# KiCad board cryboard.kicad_pcb (continued)
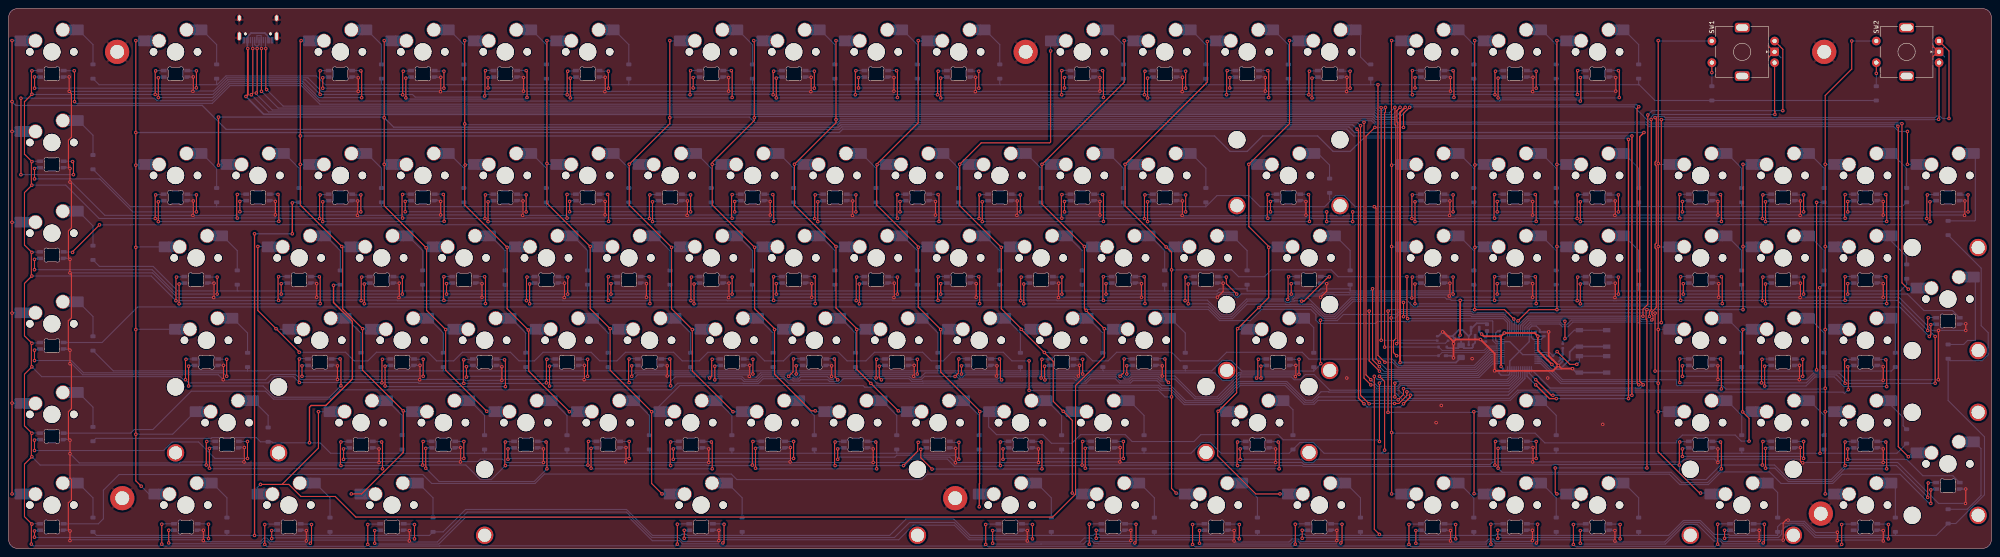
[diagram p0: board, top side]
## Library data of the parts
C1-C10 = -: LCSC: C307331; ki_fp_filters: C_*
D1 = -: Description: Diode, small symbol; Sim.Device: D; Sim.Pins: 1=K 2=A; LCSC: C402213; ki_fp_filters: TO-???* *_Diode_* *SingleDiode* D_*
D2-D112 = -: Description: Diode, small symbol; Sim.Device: D; Sim.Pins: 1=K 2=A; ki_fp_filters: TO-???* *_Diode_* *SingleDiode* D_*
F1 = -: LCSC: C135341; ki_fp_filters: *polyfuse* *PTC*
H1-H6 = -: Description: Mounting Hole with connection; ki_fp_filters: MountingHole*Pad*
J1 = -: Datasheet: https://www.usb.org/sites/default/files/documents/usb_type-c.zip; JlcPosOffset: 0,1.5; JlcRotOffset: 0; ki_fp_filters: USB*C*Receptacle*
LED1 = -: Description: Reverse mount adressable LED (WS2812 protocol); LCSC: C5149201
LED2-LED110 = -: Description: Reverse mount adressable LED (WS2812 protocol)
MX1 = -: Description: Push button switch, normally open, two pins, 45° tilted, Kailh CPG151101S11 for Cherry MX style switches; LCSC: C5184526
MX2-MX110 = -: Description: Push button switch, normally open, two pins, 45° tilted, Kailh CPG151101S11 for Cherry MX style switches
R1-R4 = -: ki_fp_filters: R_*
RST1 = -: LCSC: C2886894
S1-S8 = -: Description: Cherry MX-style stabilizer
SW1 SW2 = -: Description: Rotary encoder, dual channel, incremental quadrate outputs, with switch; ki_fp_filters: RotaryEncoder*Switch*
U1 = -: Datasheet: https://www.st.com/resource/en/datasheet/stm32f072cb.pdf; JlcRotOffset: 90; ki_fp_filters: LQFP*7x7mm*P0.5mm*
U2 = -: Datasheet: https://assets.nexperia.com/documents/data-sheet/PRTR5V0U2X.pdf; JlcRotOffset: 90; LCSC: C2827688; ki_fp_filters: SOT?143*
U3 = -: Datasheet: https://www.torexsemi.com/file/xc6206/XC6206.pdf; LCSC: C5446; ki_fp_filters: SOT?23*

## Footprints (pads in the part's own frame, mm; a bottom-side part is the same pattern mirrored in y, then rotated)
C_0402_1005Metric
  rrect 0.56x0.62 smd: 1(-0.48,0) 2(0.48,0)
C_0603_1608Metric
  rrect 0.9x0.95 smd: 1(-0.775,0) 2(0.775,0)
D_SOD-123
  rrect 0.9x1.2 smd: 1(-1.65,0) 2(1.65,0)
Fuse_1206_3216Metric
  rrect 1.25x1.75 smd: 1(-1.4,0) 2(1.4,0)
LED_MX_6028R
  rrect 1.35x0.82 smd: 1(2.725,0.75) 2(2.725,-0.75) 3(-2.725,0.75) 4(-2.725,-0.75)
LQFP-48_7x7mm_P0.5mm
  rrect 1.475x0.3 smd: 1(-4.162,2.75) 2(-4.162,2.25) 3(-4.162,1.75) 4(-4.162,1.25) 5(-4.162,0.75) 6(-4.162,0.25) 7(-4.162,-0.25) 8(-4.162,-0.75) 9(-4.162,-1.25) 10(-4.162,-1.75) 11(-4.162,-2.25) 12(-4.162,-2.75) 25(4.162,-2.75) 26(4.162,-2.25) 27(4.162,-1.75) 28(4.162,-1.25) 29(4.162,-0.75) 30(4.162,-0.25) 31(4.162,0.25) 32(4.162,0.75) 33(4.162,1.25) 34(4.162,1.75) 35(4.162,2.25) 36(4.162,2.75)
  rrect 0.3x1.475 smd: 13(-2.75,-4.162) 14(-2.25,-4.162) 15(-1.75,-4.162) 16(-1.25,-4.162) 17(-0.75,-4.162) 18(-0.25,-4.162) 19(0.25,-4.162) 20(0.75,-4.162) 21(1.25,-4.162) 22(1.75,-4.162) 23(2.25,-4.162) 24(2.75,-4.162) 37(2.75,4.162) 38(2.25,4.162) 39(1.75,4.162) 40(1.25,4.162) 41(0.75,4.162) 42(0.25,4.162) 43(-0.25,4.162) 44(-0.75,4.162) 45(-1.25,4.162) 46(-1.75,4.162) 47(-2.25,4.162) 48(-2.75,4.162)
MountingHole_3.2mm_M3_DIN965_Pad
  round 5.6 hole 3.2: 1(0,0)
R_0402_1005Metric
  rrect 0.54x0.64 smd: 1(-0.51,0) 2(0.51,0)
ROT_Alps_EC11E-Switch
  round 2 hole 1: A(-2.5,-7.5) B(2.5,-7.5) S1(2.5,7) S2(-2.5,7)
  rrect 2x2 hole 1: C(0,-7.5)
  rrect 2.2x3.4 hole 1.5x2.8: MP(-5.6,0) MP(5.6,0)
SOT-23
  rrect 1.475x0.6 smd: 1(-0.938,0.95) 2(-0.938,-0.95) 3(0.938,0)
SOT-143
  rrect 0.7x1 smd: 1(-1,0.75)
  rrect 0.7x0.6 smd: 2(-1,-0.95) 3(1,-0.95) 4(1,0.95)
STAB_MX_P_2.25u
  round 4 hole 3.048: (-11.906,6.985) (11.906,6.985)
  round 3.988 hole 3.988 unplated: (-11.906,-8.255) (11.906,-8.255)
STAB_MX_P_2.75u
  round 4 hole 3.048: (-11.906,6.985) (11.906,6.985)
  round 3.988 hole 3.988 unplated: (-11.906,-8.255) (11.906,-8.255)
STAB_MX_P_2u
  round 4 hole 3.048: (-11.906,6.985) (11.906,6.985)
  round 3.988 hole 3.988 unplated: (-11.906,-8.255) (11.906,-8.255)
STAB_MX_P_6.25u
  round 4 hole 3.048: (-50.006,6.985) (50.006,6.985)
  round 3.988 hole 3.988 unplated: (-50.006,-8.255) (50.006,-8.255)
SW_MX_HS_CPG151101S11_1u
  round 1.75 hole 1.75 unplated: (-5.08,0) (5.08,0)
  round 3.988 hole 3.988 unplated: (0,0)
  round 3.3 hole 3: 1(3.81,2.54) 2(-2.54,5.08)
  rect 1.65x2.5 smd: 1(5.635,2.54) 2(-4.34,5.08)
  rrect 2.55x2.5 smd: 1(7.36,2.54) 2(-6.09,5.08)
SW_SPST_TL3342
  rect 1.7x1 smd: 1(-3.15,1.9) 1(3.15,1.9) 2(-3.15,-1.9) 2(3.15,-1.9)
USB_C_Receptacle_HRO_TYPE-C-31-M-12
  round 0.65 hole 0.65 unplated: (-2.89,2.6) (2.89,2.6)
  rect 0.6x1.45 smd: A1(-3.25,4.045) A4(-2.45,4.045) A9(2.45,4.045) A12(3.25,4.045) B1(3.25,4.045) B4(2.45,4.045) B9(-2.45,4.045) B12(-3.25,4.045)
  rect 0.3x1.45 smd: A5(-1.25,4.045) A6(-0.25,4.045) A7(0.25,4.045) A8(1.25,4.045) B5(1.75,4.045) B6(0.75,4.045) B7(-0.75,4.045) B8(-1.75,4.045)
  oval 1x1.6 hole 0.6x1.2: S1(-4.32,-1.05) S1(4.32,-1.05)
  oval 1x2.1 hole 0.6x1.7: S1(-4.32,3.13) S1(4.32,3.13)

## Nets
+3V3: BOOT1.1 C2.1 C3.1 C4.1 C5.1 C6.1 C7.1 C10.1 U1.1 U1.9 U1.24 U1.36 U1.48 U3.2
GND: C1.2 C2.2 C3.2 C4.2 C5.2 C6.2 C7.2 C8.2 C9.2 C10.2 H1.1 H2.1 H3.1 H4.1 H5.1 H6.1 J1.A1 J1.A12 J1.B1 J1.B12 J1.S1 LED1.4 LED2.4 LED3.4 LED4.4 LED5.4 LED6.4 LED7.4 LED8.4 LED9.4 LED10.4 LED11.4 LED12.4 LED13.4 LED14.4 LED15.4 LED16.4 LED17.4 LED18.4 LED19.4 LED20.4 LED21.4 LED22.4 LED23.4 LED24.4 LED25.4 LED26.4 LED27.4 LED28.4 LED29.4 LED30.4 LED31.4 LED32.4 LED33.4 LED34.4 LED35.4 LED36.4 LED37.4 LED38.4 LED39.4 LED40.4 LED41.4 LED42.4 LED43.4 LED44.4 LED45.4 LED46.4 LED47.4 LED48.4 LED49.4 LED50.4 LED51.4 LED52.4 LED53.4 LED54.4 LED55.4 LED56.4 LED57.4 LED58.4 LED59.4 LED60.4 LED61.4 LED62.4 LED63.4 LED64.4 LED65.4 LED66.4 LED67.4 LED68.4 LED69.4 LED70.4 LED71.4 LED72.4 LED73.4 LED74.4 LED75.4 LED76.4 LED77.4 LED78.4 LED79.4 LED80.4 LED81.4 LED82.4 LED83.4 LED84.4 LED85.4 LED86.4 LED87.4 LED88.4 LED89.4 LED90.4 LED91.4 LED92.4 LED93.4 LED94.4 LED95.4 LED96.4 LED97.4 LED98.4 LED99.4 LED100.4 LED101.4 LED102.4 LED103.4 LED104.4 LED105.4 LED106.4 LED107.4 LED108.4 LED109.4 LED110.4 R1.1 R2.2 R4.2 RST1.2 SW1.C SW2.C U1.8 U1.23 U1.35 U1.47 U2.1 U3.1
VBUS: F1.1 J1.A4 J1.A9 J1.B4 J1.B9
VCC: C8.1 C9.1 F1.2 LED1.1 LED2.1 LED3.1 LED4.1 LED5.1 LED6.1 LED7.1 LED8.1 LED9.1 LED10.1 LED11.1 LED12.1 LED13.1 LED14.1 LED15.1 LED16.1 LED17.1 LED18.1 LED19.1 LED20.1 LED21.1 LED22.1 LED23.1 LED24.1 LED25.1 LED26.1 LED27.1 LED28.1 LED29.1 LED30.1 LED31.1 LED32.1 LED33.1 LED34.1 LED35.1 LED36.1 LED37.1 LED38.1 LED39.1 LED40.1 LED41.1 LED42.1 LED43.1 LED44.1 LED45.1 LED46.1 LED47.1 LED48.1 LED49.1 LED50.1 LED51.1 LED52.1 LED53.1 LED54.1 LED55.1 LED56.1 LED57.1 LED58.1 LED59.1 LED60.1 LED61.1 LED62.1 LED63.1 LED64.1 LED65.1 LED66.1 LED67.1 LED68.1 LED69.1 LED70.1 LED71.1 LED72.1 LED73.1 LED74.1 LED75.1 LED76.1 LED77.1 LED78.1 LED79.1 LED80.1 LED81.1 LED82.1 LED83.1 LED84.1 LED85.1 LED86.1 LED87.1 LED88.1 LED89.1 LED90.1 LED91.1 LED92.1 LED93.1 LED94.1 LED95.1 LED96.1 LED97.1 LED98.1 LED99.1 LED100.1 LED101.1 LED102.1 LED103.1 LED104.1 LED105.1 LED106.1 LED107.1 LED108.1 LED109.1 LED110.1 U2.4 U3.3
/C13: U1.2
/C14: U1.3
/C15: U1.4
/F0: U1.5
/F1: U1.6
BOOT0: BOOT1.2 R3.1 U1.44
COL00: MX1.1 MX18.1 MX40.1 MX62.1 MX79.1 MX97.1 U1.13
COL01: MX2.1 MX19.1 MX41.1 MX63.1 MX80.1 MX98.1 U1.14
COL02: MX3.1 MX21.1 MX43.1 MX65.1 MX82.1 MX100.1 U1.15
COL03: MX4.1 MX20.1 MX22.1 MX44.1 MX66.1 MX83.1 U1.16
COL04: MX5.1 MX23.1 MX45.1 MX67.1 MX84.1 U1.17
COL05: MX6.1 MX24.1 MX46.1 MX68.1 MX85.1 MX101.1 U1.18
COL06: MX7.1 MX25.1 MX39.1 MX47.1 MX69.1 MX86.1 U1.19
COL07: MX8.1 MX26.1 MX48.1 MX61.1 MX70.1 MX87.1 U1.20
COL08: MX9.1 MX27.1 MX49.1 MX71.1 MX88.1 MX96.1 U1.21
COL09: MX10.1 MX28.1 MX50.1 MX72.1 MX89.1 MX102.1 U1.22
COL10: MX11.1 MX29.1 MX51.1 MX73.1 MX90.1 MX103.1 U1.31
COL11: MX12.1 MX30.1 MX52.1 MX74.1 MX81.1 MX99.1 U1.34
COL12: MX13.1 MX31.1 MX42.1 MX53.1 MX64.1 MX104.1 U1.37
COL13: MX14.1 MX32.1 MX54.1 MX75.1 MX91.1 MX105.1 U1.38
COL14: MX15.1 MX33.1 MX55.1 MX77.1 MX94.1 MX106.1 U1.39
COL15: MX16.1 MX34.1 MX56.1 MX92.1 MX107.1 U1.40
COL16: MX17.1 MX35.1 MX37.1 MX57.1 MX59.1 MX108.1 U1.41
COL17: MX36.1 MX58.1 MX76.1 MX93.1 MX109.1 SW1.S1 U1.11
COL18: MX38.1 MX60.1 MX78.1 MX95.1 MX110.1 SW2.S1 U1.10
D+: J1.A6 J1.B6 U1.33 U2.3
D-: J1.A7 J1.B7 U1.32 U2.2
DIN: LED1.3 U1.12
ENC0_A: SW1.B U1.42
ENC0_B: SW1.A U1.43
ENC1_A: SW2.B U1.45
ENC1_B: SW2.A U1.46
NRST: C1.1 RST1.1 U1.7
ROW0: D1.1 D2.1 D3.1 D4.1 D5.1 D6.1 D7.1 D8.1 D9.1 D10.1 D11.1 D12.1 D13.1 D14.1 D15.1 D16.1 D17.1 D111.1 D112.1 U1.30
ROW1: D18.1 D19.1 D21.1 D22.1 D23.1 D24.1 D25.1 D26.1 D27.1 D28.1 D29.1 D30.1 D31.1 D32.1 D33.1 D34.1 D35.1 D36.1 D38.1 U1.29
ROW2: D40.1 D41.1 D43.1 D44.1 D45.1 D46.1 D47.1 D48.1 D49.1 D50.1 D51.1 D52.1 D53.1 D54.1 D55.1 D56.1 D57.1 D58.1 D60.1 U1.28
ROW3: D37.1 D62.1 D63.1 D64.1 D65.1 D66.1 D67.1 D68.1 D69.1 D70.1 D71.1 D72.1 D73.1 D74.1 D75.1 D76.1 D77.1 D78.1 U1.27
ROW4: D42.1 D59.1 D79.1 D80.1 D81.1 D82.1 D83.1 D84.1 D85.1 D86.1 D87.1 D88.1 D89.1 D90.1 D91.1 D92.1 D93.1 D94.1 D95.1 U1.26
ROW5: D20.1 D39.1 D61.1 D96.1 D97.1 D98.1 D99.1 D100.1 D101.1 D102.1 D103.1 D104.1 D105.1 D106.1 D107.1 D108.1 D109.1 D110.1 U1.25
Net-(D1-A): D1.2 MX1.2
Net-(D2-A): D2.2 MX2.2
Net-(D3-A): D3.2 MX3.2
Net-(D4-A): D4.2 MX4.2
Net-(D5-A): D5.2 MX5.2
Net-(D6-A): D6.2 MX6.2
Net-(D7-A): D7.2 MX7.2
Net-(D8-A): D8.2 MX8.2
Net-(D9-A): D9.2 MX9.2
Net-(D10-A): D10.2 MX10.2
Net-(D11-A): D11.2 MX11.2
Net-(D12-A): D12.2 MX12.2
Net-(D13-A): D13.2 MX13.2
Net-(D14-A): D14.2 MX14.2
Net-(D15-A): D15.2 MX15.2
Net-(D16-A): D16.2 MX16.2
Net-(D17-A): D17.2 MX17.2
Net-(D18-A): D18.2 MX18.2
Net-(D19-A): D19.2 MX19.2
Net-(D20-A): D20.2 MX20.2
Net-(D21-A): D21.2 MX21.2
Net-(D22-A): D22.2 MX22.2
Net-(D23-A): D23.2 MX23.2
Net-(D24-A): D24.2 MX24.2
Net-(D25-A): D25.2 MX25.2
Net-(D26-A): D26.2 MX26.2
Net-(D27-A): D27.2 MX27.2
Net-(D28-A): D28.2 MX28.2
Net-(D29-A): D29.2 MX29.2
Net-(D30-A): D30.2 MX30.2
Net-(D31-A): D31.2 MX31.2
Net-(D32-A): D32.2 MX32.2
Net-(D33-A): D33.2 MX33.2
Net-(D34-A): D34.2 MX34.2
Net-(D35-A): D35.2 MX35.2
Net-(D36-A): D36.2 MX36.2
Net-(D37-A): D37.2 MX37.2
Net-(D38-A): D38.2 MX38.2
Net-(D39-A): D39.2 MX39.2
Net-(D40-A): D40.2 MX40.2
Net-(D41-A): D41.2 MX41.2
Net-(D42-A): D42.2 MX42.2
Net-(D43-A): D43.2 MX43.2
Net-(D44-A): D44.2 MX44.2
Net-(D45-A): D45.2 MX45.2
Net-(D46-A): D46.2 MX46.2
Net-(D47-A): D47.2 MX47.2
Net-(D48-A): D48.2 MX48.2
Net-(D49-A): D49.2 MX49.2
Net-(D50-A): D50.2 MX50.2
Net-(D51-A): D51.2 MX51.2
Net-(D52-A): D52.2 MX52.2
Net-(D53-A): D53.2 MX53.2
Net-(D54-A): D54.2 MX54.2
Net-(D55-A): D55.2 MX55.2
Net-(D56-A): D56.2 MX56.2
Net-(D57-A): D57.2 MX57.2
Net-(D58-A): D58.2 MX58.2
Net-(D59-A): D59.2 MX59.2
Net-(D60-A): D60.2 MX60.2
Net-(D61-A): D61.2 MX61.2
Net-(D62-A): D62.2 MX62.2
Net-(D63-A): D63.2 MX63.2
Net-(D64-A): D64.2 MX64.2
Net-(D65-A): D65.2 MX65.2
Net-(D66-A): D66.2 MX66.2
Net-(D67-A): D67.2 MX67.2
Net-(D68-A): D68.2 MX68.2
Net-(D69-A): D69.2 MX69.2
Net-(D70-A): D70.2 MX70.2
Net-(D71-A): D71.2 MX71.2
Net-(D72-A): D72.2 MX72.2
Net-(D73-A): D73.2 MX73.2
Net-(D74-A): D74.2 MX74.2
Net-(D75-A): D75.2 MX75.2
Net-(D76-A): D76.2 MX76.2
Net-(D77-A): D77.2 MX77.2
Net-(D78-A): D78.2 MX78.2
Net-(D79-A): D79.2 MX79.2
Net-(D80-A): D80.2 MX80.2
Net-(D81-A): D81.2 MX81.2
Net-(D82-A): D82.2 MX82.2
Net-(D83-A): D83.2 MX83.2
Net-(D84-A): D84.2 MX84.2
Net-(D85-A): D85.2 MX85.2
Net-(D86-A): D86.2 MX86.2
Net-(D87-A): D87.2 MX87.2
Net-(D88-A): D88.2 MX88.2
Net-(D89-A): D89.2 MX89.2
Net-(D90-A): D90.2 MX90.2
Net-(D91-A): D91.2 MX91.2
Net-(D92-A): D92.2 MX92.2
Net-(D93-A): D93.2 MX93.2
Net-(D94-A): D94.2 MX94.2
Net-(D95-A): D95.2 MX95.2
Net-(D96-A): D96.2 MX96.2
Net-(D97-A): D97.2 MX97.2
Net-(D98-A): D98.2 MX98.2
Net-(D99-A): D99.2 MX99.2
Net-(D100-A): D100.2 MX100.2
Net-(D101-A): D101.2 MX101.2
Net-(D102-A): D102.2 MX102.2
Net-(D103-A): D103.2 MX103.2
Net-(D104-A): D104.2 MX104.2
Net-(D105-A): D105.2 MX105.2
Net-(D106-A): D106.2 MX106.2
Net-(D107-A): D107.2 MX107.2
Net-(D108-A): D108.2 MX108.2
Net-(D109-A): D109.2 MX109.2
Net-(D110-A): D110.2 MX110.2
Net-(D111-A): D111.2 SW1.S2
Net-(D112-A): D112.2 SW2.S2
Net-(J1-CC1): J1.A5 R1.2
Net-(J1-CC2): J1.B5 R2.1
Net-(LED1-DOUT): LED1.2 LED2.3
Net-(LED2-DOUT): LED2.2 LED3.3
Net-(LED3-DOUT): LED3.2 LED4.3
Net-(LED4-DOUT): LED4.2 LED5.3
Net-(LED5-DOUT): LED5.2 LED6.3
Net-(LED6-DOUT): LED6.2 LED7.3
Net-(LED7-DOUT): LED7.2 LED8.3
Net-(LED8-DOUT): LED8.2 LED9.3
Net-(LED10-DIN): LED9.2 LED10.3
Net-(LED10-DOUT): LED10.2 LED11.3
Net-(LED11-DOUT): LED11.2 LED12.3
Net-(LED12-DOUT): LED12.2 LED13.3
Net-(LED13-DOUT): LED13.2 LED14.3
Net-(LED14-DOUT): LED14.2 LED15.3
Net-(LED15-DOUT): LED15.2 LED16.3
Net-(LED16-DOUT): LED16.2 LED17.3
Net-(LED17-DOUT): LED17.2 LED18.3
Net-(LED18-DOUT): LED18.2 LED19.3
Net-(LED19-DOUT): LED19.2 LED20.3
Net-(LED20-DOUT): LED20.2 LED21.3
Net-(LED21-DOUT): LED21.2 LED22.3
Net-(LED22-DOUT): LED22.2 LED23.3
Net-(LED23-DOUT): LED23.2 LED24.3
Net-(LED24-DOUT): LED24.2 LED25.3
Net-(LED25-DOUT): LED25.2 LED26.3
Net-(LED26-DOUT): LED26.2 LED27.3
Net-(LED27-DOUT): LED27.2 LED28.3
Net-(LED28-DOUT): LED28.2 LED29.3
Net-(LED29-DOUT): LED29.2 LED30.3
Net-(LED30-DOUT): LED30.2 LED31.3
Net-(LED31-DOUT): LED31.2 LED32.3
Net-(LED32-DOUT): LED32.2 LED33.3
Net-(LED33-DOUT): LED33.2 LED34.3
Net-(LED34-DOUT): LED34.2 LED35.3
Net-(LED35-DOUT): LED35.2 LED36.3
Net-(LED36-DOUT): LED36.2 LED37.3
Net-(LED37-DOUT): LED37.2 LED38.3
Net-(LED38-DOUT): LED38.2 LED39.3
Net-(LED39-DOUT): LED39.2 LED40.3
Net-(LED40-DOUT): LED40.2 LED41.3
Net-(LED41-DOUT): LED41.2 LED42.3
Net-(LED42-DOUT): LED42.2 LED43.3
Net-(LED43-DOUT): LED43.2 LED44.3
Net-(LED44-DOUT): LED44.2 LED45.3
Net-(LED45-DOUT): LED45.2 LED46.3
Net-(LED46-DOUT): LED46.2 LED47.3
Net-(LED47-DOUT): LED47.2 LED48.3
Net-(LED48-DOUT): LED48.2 LED49.3
Net-(LED49-DOUT): LED49.2 LED50.3
Net-(LED50-DOUT): LED50.2 LED51.3
Net-(LED51-DOUT): LED51.2 LED52.3
Net-(LED52-DOUT): LED52.2 LED53.3
Net-(LED53-DOUT): LED53.2 LED54.3
Net-(LED54-DOUT): LED54.2 LED55.3
Net-(LED55-DOUT): LED55.2 LED56.3
Net-(LED56-DOUT): LED56.2 LED57.3
Net-(LED57-DOUT): LED57.2 LED58.3
Net-(LED58-DOUT): LED58.2 LED59.3
Net-(LED59-DOUT): LED59.2 LED60.3
Net-(LED60-DOUT): LED60.2 LED61.3
Net-(LED61-DOUT): LED61.2 LED62.3
Net-(LED62-DOUT): LED62.2 LED63.3
Net-(LED63-DOUT): LED63.2 LED64.3
Net-(LED64-DOUT): LED64.2 LED65.3
Net-(LED65-DOUT): LED65.2 LED66.3
Net-(LED66-DOUT): LED66.2 LED67.3
Net-(LED67-DOUT): LED67.2 LED68.3
Net-(LED68-DOUT): LED68.2 LED69.3
Net-(LED69-DOUT): LED69.2 LED70.3
Net-(LED70-DOUT): LED70.2 LED71.3
Net-(LED71-DOUT): LED71.2 LED72.3
Net-(LED72-DOUT): LED72.2 LED73.3
Net-(LED73-DOUT): LED73.2 LED74.3
Net-(LED74-DOUT): LED74.2 LED75.3
Net-(LED75-DOUT): LED75.2 LED76.3
Net-(LED76-DOUT): LED76.2 LED77.3
Net-(LED77-DOUT): LED77.2 LED78.3
Net-(LED78-DOUT): LED78.2 LED79.3
Net-(LED79-DOUT): LED79.2 LED80.3
Net-(LED80-DOUT): LED80.2 LED81.3
Net-(LED81-DOUT): LED81.2 LED82.3
Net-(LED82-DOUT): LED82.2 LED83.3
Net-(LED83-DOUT): LED83.2 LED84.3
Net-(LED84-DOUT): LED84.2 LED85.3
Net-(LED85-DOUT): LED85.2 LED86.3
Net-(LED86-DOUT): LED86.2 LED87.3
Net-(LED87-DOUT): LED87.2 LED88.3
Net-(LED88-DOUT): LED88.2 LED89.3
Net-(LED89-DOUT): LED89.2 LED90.3
Net-(LED90-DOUT): LED90.2 LED91.3
Net-(LED91-DOUT): LED91.2 LED92.3
Net-(LED92-DOUT): LED92.2 LED93.3
Net-(LED93-DOUT): LED93.2 LED94.3
Net-(LED94-DOUT): LED94.2 LED95.3
Net-(LED95-DOUT): LED95.2 LED96.3
Net-(LED96-DOUT): LED96.2 LED97.3
Net-(LED97-DOUT): LED97.2 LED98.3
Net-(LED98-DOUT): LED98.2 LED99.3
Net-(LED100-DIN): LED99.2 LED100.3
Net-(LED100-DOUT): LED100.2 LED101.3
Net-(LED101-DOUT): LED101.2 LED102.3
Net-(LED102-DOUT): LED102.2 LED103.3
Net-(LED103-DOUT): LED103.2 LED104.3
Net-(LED104-DOUT): LED104.2 LED105.3
Net-(LED105-DOUT): LED105.2 LED106.3
Net-(LED106-DOUT): LED106.2 LED107.3
Net-(LED107-DOUT): LED107.2 LED108.3
Net-(LED108-DOUT): LED108.2 LED109.3
Net-(LED109-DOUT): LED109.2 LED110.3
Net-(R3-Pad2): R3.2 R4.1

Pads without a net: J1 A8 B8; LED110 2; SW1 MP; SW2 MP

## Via types
v1: diameter 0.8, hole 0.4, Top to Bottom, 1151 vias

## Routing (per net, layer and track width the routed paths; a pad name or vN(x,y) marks a point on that pad's centre or on a via; arc(x,y) is an arc through that point)
+3V3: length 66.8
  Top w0.4: 344.88,49.04 v1(345.63,49.79) 352.63,49.79 v1(353.38,49.04) 353.38,45.76 v1(356.62,42.52) ; 344.88,49.04 v1(344.88,42.04) ; 344.88,49.04 340.88,49.04 v1(340.38,49.54)
  Bottom w0.3: U1.36 344.63,48.62 C3.1 ; C6.1 354.11,48.29 U1.1 352.38,48.29 351.88,48.79 U1.48 352.22,50.04 C5.1 ; U1.9 354.63,44.29 355.37,43.54 C7.1 ; C4.1 346.04,41.04 U1.24
  Bottom w0.4: C6.1 353.4,49.06 v1(353.38,49.04) 352.9,49.52 C5.1 ; 355.62,43.52 v1(356.62,42.52) 357.72,41.41 358.51,41.41 360.73,43.64 360.73,45.39 361.98,46.64 BOOT1.1 BOOT1.1 ; v1(345.63,49.79) 345.15,49.31 C3.1 ; U3.2 339.83,50.09 ; 339.83,50.09 341.15,48.77 C10.1 ; 339.83,50.09 v1(340.38,49.54) ; C4.1 345.36,41.56 v1(344.88,42.04) ; 341.63,49.02 C2.1
GND: length 3206.8
  Top w0.25: v1(279.31,58.06) 280.66,59.41 v1(280.66,61.31) ; v1(266.59,42.19) v1(266.59,39.85) ; v1(152.19,42.19) v1(152.19,39.85) ; v1(92.59,4.11) v1(92.59,1.71) ; v1(297.35,39.71) 297.46,39.81 v1(297.46,42.31) ; v1(75.99,42.19) v1(75.99,39.06) ; v1(209.26,42.31) 209.26,39.91 v1(209.14,39.78) ; v1(204.66,61.31) 204.66,58.06 ; v1(433.19,41.99) v1(433.19,38.86) ; v1(80.79,108.79) v1(80.79,105.66) ; v1(371.26,61.31) 371.26,58.06 ; v1(137.84,80.22) v1(137.84,77.09) ; v1(414.06,23.31) 414.06,20.06 414.34,19.79 v1(414.59,19.79) ; v1(80.66,80.31) 80.66,77.06 ; v1(204.59,108.84) v1(204.59,105.71) ; v1(171.26,42.31) 171.26,39.89 v1(171.14,39.77) ; v1(233.06,80.31) 233.06,77.06 ; v1(228.27,39.85) 228.39,39.96 v1(228.39,42.19) ; v1(299.79,80.19) v1(299.79,77.06) ; v1(185.59,61.19) v1(185.59,58.06) ; v1(309.26,108.91) 309.26,105.66 ; v1(303.19,58.06) 304.59,59.46 v1(304.59,61.19) ; v1(128.46,61.31) 128.46,58.06 ; v1(61.64,80.22) v1(61.64,77.09) ; v1(271.26,80.31) 271.26,77.06 ; v1(452.06,80.31) 452.06,77.06 ; v1(271.26,108.91) 271.26,105.66 ; v1(333.06,61.31) 333.06,58.06 ; v1(247.2,39.85) 247.46,40.1 v1(247.46,42.31) ; v1(252.19,80.19) v1(252.19,77.06) ; v1(54.46,23.31) 54.46,20.06 ; v1(333.19,108.84) v1(333.19,105.71) ; v1(259.32,4.17) v1(259.32,1.77) ; v1(85.59,22.99) v1(85.59,19.86) ; v1(433.19,61.19) v1(433.19,58.06) ; v1(99.86,108.91) 99.86,105.66 ; v1(414.06,80.31) 414.06,77.06 ; v1(371.19,4.11) v1(371.19,1.71) ; v1(42.66,108.99) 42.66,105.74 v1(42.59,105.66) ; v1(142.66,23.31) 142.66,20.06 ; v1(352.19,80.19) v1(352.19,77.06) ; v1(118.99,108.84) v1(118.99,105.71) ; v1(306.92,4.17) v1(306.92,1.77) ; v1(123.59,22.99) v1(123.59,19.86) ; SW1.C 407.99,114.79 ; 407.99,114.79 406.79,113.59 ; 407.99,114.79 406.59,116.19 ; v1(47.46,61.31) 47.46,58.06 ; v1(49.66,42.31) 49.66,39.06 ; v1(218.86,23.11) 218.86,19.86 ; v1(413.86,42.31) 413.86,39.06 ; v1(95.06,42.31) 95.06,39.06 ; v1(113.99,41.99) v1(113.99,38.86) ; v1(190.17,39.78) 190.19,39.8 v1(190.19,42.19) ; v1(422.59,1.79) v1(422.59,3.71) ; v1(395.19,61.19) v1(395.19,58.06) ; v1(237.99,22.99) v1(237.99,19.86) ; v1(352.26,23.31) 352.26,20.06 ; v1(352.19,61.19) v1(352.19,58.06) ; v1(223.59,61.19) v1(223.59,58.06) ; v1(256.86,23.31) 256.86,20.06 ; v1(99.84,80.22) v1(99.84,77.09) ; v1(290.39,108.84) v1(290.39,105.71) ; v1(394.99,42.19) v1(394.99,39.06) ; v1(433.19,22.99) v1(433.19,19.86) ; v1(147.39,61.19) v1(147.39,58.06) ; v1(410.06,1.92) 410.06,5.86 410.73,6.53 v1(411.19,6.53) ; v1(333.06,80.31) 333.06,77.06 ; v1(180.66,23.31) 180.66,20.06 ; 444.59,113.59 445.79,114.79 SW2.C 445.99,114.79 444.59,116.19 ; v1(452.26,13.71) 452.26,10.46 ; v1(166.39,108.84) v1(166.39,105.71) ; v1(104.46,23.31) 104.46,20.06 ; v1(175.99,80.19) v1(175.99,77.06) ; v1(404.52,4.17) v1(404.52,1.77) ; v1(371.26,80.31) 371.26,77.06 ; v1(394.99,22.99) v1(394.99,19.86) ; v1(195.06,80.31) 195.06,77.06 ; v1(161.79,22.99) v1(161.79,19.86) ; v1(164.12,4.17) v1(164.12,1.77) ; v1(394.99,80.19) v1(394.99,77.06) ; v1(371.39,108.84) v1(371.39,105.71) ; v1(118.86,80.31) 118.86,77.06 ; v1(445.99,50.39) 445.91,50.31 v1(445.91,38.99) ; v1(199.79,22.99) v1(199.79,19.86) ; v1(156.86,80.31) 156.86,77.06 ; v1(352.26,108.91) 352.26,105.66 ; v1(433.19,80.19) v1(433.19,77.06) ; v1(452.26,51.91) v1(452.26,50.39) ; v1(414.06,61.31) 414.06,58.06 ; v1(71.19,61.19) v1(71.19,58.06) ; v1(90.26,61.31) 90.26,58.06 ; v1(44.99,4.19) v1(44.99,1.79) ; v1(333.19,4.11) v1(333.19,1.71) ; v1(137.86,108.91) 137.86,105.66 ; v1(292.79,22.99) v1(292.79,19.86) ; v1(166.46,61.31) 166.46,58.06 ; v1(261.79,61.19) v1(261.79,58.06) ; v1(185.46,108.91) 185.46,105.66 ; v1(133.06,42.31) 133.06,39.06 ; v1(252.19,108.84) v1(252.19,105.71) ; v1(433.19,4.11) v1(433.19,1.71) ; v1(242.66,61.31) 242.66,58.06 ; v1(283.19,4.11) v1(283.19,1.71) ; v1(109.39,61.19) v1(109.39,58.06) ; v1(214.19,80.19) v1(214.19,77.06) ; v1(68.79,4.11) v1(68.79,1.71) ; v1(14.17,1.79) v1(14.17,4.02) 13.79,4.4 13.79,10.5 14.5,11.21 14.5,15.91 14.17,16.24 v1(14.17,21.89) v1(14.17,25.02) 13.82,25.37 13.82,31.62 14.5,32.3 14.5,42.36 v1(14.17,42.69) v1(14.17,45.82) 13.79,46.2 13.79,52.59 14.5,53.3 14.5,63.36 v1(14.17,63.69) v1(14.17,66.82) 13.82,67.17 13.82,73.39 14.5,74.08 14.5,84.36 v1(14.17,84.69) v1(14.17,87.82) 13.82,88.17 13.82,94.35 14.5,95.03 14.5,105.15 v1(13.99,105.66) v1(13.99,108.99) ; v1(42.66,80.31) 42.66,77.06 ; v1(223.46,108.91) 223.46,105.66 ; v1(235.39,4.11) v1(235.39,1.71) ; v1(352.12,4.17) v1(352.12,1.77)
  Top w0.4: v1(358.12,42.27) 358.85,41.54 v1(361.38,41.54) ; v1(358.12,42.27) 355.88,44.51 v1(355.88,50.04) ; v1(358.12,42.27) 356.88,41.04 v1(343.38,41.04) 343.38,45.04 v1(340.13,48.29) 334.38,48.29 333.88,47.79 ; 333.88,47.79 v1(333.88,47.29) v1(333.88,44.04) ; 333.88,47.79 331.63,50.04 v1(331.38,50.04)
  Bottom w0.25: 198.39,23.16 199.62,23.16 ; 409.39,116.19 408.09,114.89 SW1.C 408.19,114.79 409.59,113.39 ; 88.89,61.28 90.23,61.28 ; 369.99,109.01 371.22,109.01 ; LED3.4 80.62,108.96 v1(80.79,108.79) ; 307.89,108.88 309.23,108.88 ; 98.44,80.39 99.67,80.39 ; 393.59,23.16 394.82,23.16 ; 350.89,23.28 352.23,23.28 ; 48.29,42.28 49.63,42.28 ; 393.59,80.36 394.82,80.36 ; v1(13.99,108.99) 13.96,108.96 LED1.4 ; 60.24,80.39 61.47,80.39 ; 258,4.17 259.32,4.17 ; 217.49,23.08 218.83,23.08 ; 84.19,23.16 85.42,23.16 ; 431.79,23.16 433.02,23.16 ; 164.99,109.01 166.22,109.01 ; 165.09,61.28 166.43,61.28 ; 145.99,61.36 147.22,61.36 ; 93.69,42.28 95.03,42.28 ; v1(14.17,1.79) 14.37,1.99 44.79,1.99 v1(44.99,1.79) 45.24,1.54 58.14,1.54 58.99,2.39 59.64,2.39 60.49,1.54 68.61,1.54 v1(68.79,1.71) 68.99,1.91 92.39,1.91 v1(92.59,1.71) 92.84,1.46 99.06,1.46 105.99,8.39 142.75,8.39 148.6,2.54 154.84,2.54 155.77,1.6 163.95,1.6 v1(164.12,1.77) 164.33,1.99 205.68,1.99 209.05,5.35 218.55,5.35 221.91,1.99 235.11,1.99 v1(235.39,1.71) 235.64,1.46 247.66,1.46 248.59,2.39 250.24,2.39 251.04,1.59 259.13,1.59 v1(259.32,1.77) 259.52,1.97 282.92,1.97 v1(283.19,1.71) 283.44,1.46 295.86,1.46 296.59,2.19 298.04,2.19 298.64,1.59 306.73,1.59 v1(306.92,1.77) 307.12,1.97 332.92,1.97 v1(333.19,1.71) 333.44,1.46 341.35,1.46 342.04,2.15 343.06,2.15 343.62,1.59 351.93,1.59 v1(352.12,1.77) 352.32,1.97 370.92,1.97 v1(371.19,1.71) 371.44,1.46 382.68,1.46 387.2,5.99 390.75,5.99 394.55,2.19 395.64,2.19 396.22,1.6 404.35,1.6 v1(404.52,1.77) 404.72,1.97 410.18,1.97 ; 162.8,4.17 164.12,4.17 ; 241.29,61.28 242.63,61.28 ; LED2.4 42.63,108.96 v1(42.66,108.99) ; 184.09,108.88 185.43,108.88 ; 246.09,42.28 247.43,42.28 ; 446.19,114.79 447.39,113.59 ; 446.19,114.79 SW2.C ; 446.19,114.79 447.39,115.99 ; 331.79,109.01 333.02,109.01 ; 288.99,109.01 290.22,109.01 ; v1(433.19,1.71) 432.99,1.91 423.51,1.91 423.39,1.79 v1(422.59,1.79) ; v1(411.19,6.53) 411.46,6.25 414.96,6.25 417.55,3.66 422.54,3.66 v1(422.59,3.71) ; 150.79,42.36 152.02,42.36 ; 412.69,23.28 414.03,23.28 ; 203.19,109.01 204.42,109.01 ; 450.89,13.68 452.23,13.68 ; 74.59,42.36 75.82,42.36 ; 41.29,80.28 42.63,80.28 ; v1(297.35,39.71) 296.97,40.09 284.61,40.09 284.58,40.12 284.37,40.12 279.27,35.03 274.29,35.03 269.47,39.85 v1(266.59,39.85) 266.31,40.12 259.22,40.12 258.69,39.58 258.09,39.58 257.1,40.57 249.47,40.57 248.49,39.58 247.46,39.58 246.93,40.12 228.66,40.12 228.39,39.85 v1(228.27,39.85) 228.15,39.85 227.87,40.12 221.02,40.12 220.49,39.58 219.89,39.58 218.9,40.57 211.8,40.57 210.81,39.58 209.33,39.58 208.78,40.13 182.71,40.13 182.71,40.01 182.29,39.58 181.69,39.58 180.7,40.57 173.8,40.57 172.81,39.58 171.33,39.58 170.79,40.12 152.86,40.12 152.59,39.85 v1(152.19,39.85) 151.95,39.85 151.67,40.12 145.35,40.12 144.29,39.06 114.19,39.06 v1(113.99,38.86) 105.49,38.86 105.29,39.06 v1(75.99,39.06) 67.49,39.06 66.36,40.19 60.59,40.19 59.39,38.99 v1(49.59,38.99) 48.44,40.13 17.12,40.13 14.56,42.69 v1(14.17,42.69) ; 212.79,80.36 214.02,80.36 ; 46.09,61.28 47.43,61.28 ; 222.09,108.88 223.43,108.88 ; LED98.4 44.98,4.18 v1(44.99,4.19) ; 260.39,61.36 261.62,61.36 ; 91.27,4.11 92.58,4.11 ; 371.26,105.66 v1(80.79,105.66) 72.29,105.66 69.17,108.78 50.42,108.78 47.37,105.74 42.66,105.74 v1(42.59,105.66) v1(13.99,105.66) ; 136.44,80.39 137.67,80.39 ; 431.87,4.11 433.18,4.11 ; v1(14.17,21.89) 16.31,19.75 39.52,19.75 39.76,19.99 v1(54.39,19.99) 54.62,19.75 76.35,19.75 76.46,19.86 v1(85.59,19.86) 85.79,20.06 108.44,20.06 109.02,20.63 114.14,20.63 114.91,19.86 v1(123.59,19.86) 123.66,19.86 123.79,19.99 v1(142.59,19.99) 142.71,19.86 v1(161.79,19.86) 161.91,19.99 v1(180.59,19.99) 180.71,19.86 v1(199.79,19.86) 207.22,19.86 208.45,21.08 217.49,21.08 v1(218.79,19.79) 218.86,19.86 v1(237.99,19.86) 238.11,19.99 v1(256.79,19.99) 256.94,19.83 283.63,19.83 283.66,19.86 v1(292.79,19.86) 298.87,19.86 299.35,19.38 342.39,19.38 342.99,19.99 v1(352.19,19.99) 386.54,19.99 387.21,20.66 394.19,20.66 v1(394.99,19.86) 395.76,20.63 413.74,20.63 v1(414.59,19.79) 414.66,19.86 v1(433.19,19.86) 436.51,19.86 445.99,10.39 v1(452.19,10.39) ; v1(14.17,63.69) 33.26,63.69 38.96,57.99 v1(47.39,57.99) 47.46,58.06 v1(279.31,58.06) 279.98,58.73 283.06,58.73 283.06,58.49 283.49,58.06 284.09,58.06 284.85,58.83 295.32,58.83 296.09,58.06 296.69,58.06 296.96,58.34 302.91,58.34 v1(303.19,58.06) 303.86,58.73 306.24,58.73 306.37,58.61 332.61,58.61 v1(332.89,58.34) 333.16,58.06 v1(433.19,58.06) 436.81,58.06 444.49,50.39 v1(445.99,50.39) v1(452.26,50.39) ; 369.87,4.11 371.18,4.11 ; v1(14.17,84.69) 14.52,84.69 22.23,76.99 v1(42.59,76.99) 52.43,76.99 52.54,77.09 v1(61.64,77.09) 80.48,77.09 v1(80.59,76.99) 90.63,76.99 90.74,77.09 v1(99.84,77.09) 118.68,77.09 v1(118.79,76.99) 128.63,76.99 128.74,77.09 156.88,77.09 156.91,77.06 271.11,77.06 v1(271.19,76.99) 271.27,76.9 290.5,76.9 290.66,77.06 v1(299.79,77.06) 299.95,76.9 323.7,76.9 323.79,76.99 v1(332.99,76.99) 333.06,77.06 v1(352.19,77.06) 451.91,77.06 v1(451.99,76.99) ; 331.69,80.28 333.03,80.28 ; 298.39,80.36 299.62,80.36 ; 117.59,109.01 118.82,109.01 ; 296.09,42.28 297.43,42.28 ; 169.89,42.28 171.23,42.28 ; 160.39,23.16 161.62,23.16 ; 53.09,23.28 54.43,23.28 ; 393.59,42.36 394.82,42.36 ; 393.79,61.36 395.02,61.36 ; 136.49,108.88 137.83,108.88 ; 412.69,61.28 414.03,61.28 ; 331.87,4.11 333.18,4.11 ; 188.79,42.36 190.02,42.36 ; 112.59,42.16 113.82,42.16 ; 250.79,80.36 252.02,80.36 ; 350.8,4.17 352.12,4.17 ; 269.89,80.28 271.23,80.28 ; 141.29,23.28 142.63,23.28 ; 127.09,61.28 128.43,61.28 ; 107.99,61.36 109.22,61.36 ; 193.69,80.28 195.03,80.28 ; 184.19,61.36 185.42,61.36 ; 207.89,42.28 209.23,42.28 ; 12.77,87.99 14,87.99 ; 305.6,4.17 306.92,4.17 ; 450.69,80.28 452.03,80.28 ; 174.59,80.36 175.82,80.36 ; 155.49,80.28 156.83,80.28 ; 69.79,61.36 71.02,61.36 ; 412.49,42.28 413.83,42.28 ; 412.69,80.28 414.03,80.28 ; 12.77,25.19 14,25.19 ; v1(394.99,39.06) 415.59,39.06 417.07,40.54 423.01,40.54 424.69,38.86 v1(433.19,38.86) 433.31,38.99 v1(445.91,38.99) ; 265.19,42.36 266.42,42.36 ; 303.19,61.36 304.42,61.36 ; 98.49,108.88 99.83,108.88 ; 255.49,23.28 256.83,23.28 ; 279.29,61.28 280.63,61.28 ; 350.89,108.88 352.23,108.88 ; 12.77,4.19 14,4.19 ; 281.87,4.11 283.18,4.11 ; 179.29,23.28 180.63,23.28 ; 79.29,80.28 80.63,80.28 ; 369.89,61.28 371.23,61.28 ; 12.77,45.99 14,45.99 ; 117.49,80.28 118.83,80.28 ; 122.19,23.16 123.42,23.16 ; 450.89,51.88 452.23,51.88 ; 131.69,42.28 133.03,42.28 ; 231.69,80.28 233.03,80.28 ; 222.19,61.36 223.42,61.36 ; 103.09,23.28 104.43,23.28 ; 250.79,109.01 252.02,109.01 ; 67.47,4.11 68.78,4.11 ; 226.99,42.36 228.22,42.36 ; 331.69,61.28 333.03,61.28 ; 350.79,61.36 352.02,61.36 ; 269.89,108.88 271.23,108.88 ; 403.2,4.17 404.52,4.17 ; 236.59,23.16 237.82,23.16 ; 431.79,80.36 433.02,80.36 ; 369.89,80.28 371.23,80.28 ; 234.07,4.11 235.38,4.11 ; 203.29,61.28 204.63,61.28 ; 350.79,80.36 352.02,80.36 ; 291.39,23.16 292.62,23.16 ; 431.79,42.16 433.02,42.16 ; 431.79,61.36 433.02,61.36 ; 12.77,66.99 14,66.99
  Bottom w0.3: C3.2 344.11,50.27 343.63,49.79 343.63,48.04 343.88,47.79 U1.35 346.88,47.79 349.13,45.54 ; 349.13,45.54 349.88,44.79 U1.8 355.33,44.79 C7.2 ; 349.13,45.54 351.38,47.79 U1.47 351.38,50.79 351.99,51.39 353.02,51.39 353.86,50.56 C5.2 ; 349.13,45.54 346.88,43.29 U1.23 346.88,40.29 346.63,40.04 344.88,40.04 344.4,40.52 C4.2
  Bottom w0.4: C7.2 355.73,44.5 356.69,43.54 C1.2 ; C6.2 v1(355.88,50.04) ; v1(340.13,48.29) 340.61,47.81 C10.2 ; 358.39,44.19 358.8,43.78 R4.2 ; v1(361.38,41.54) 362.28,40.64 RST1.2 RST1.2 ; 337.4,49.04 337.93,49.57 U3.1 339.24,52.04 341.4,52.04 ; 337.4,49.04 C9.2 ; 337.4,49.04 335.94,50.49 335.09,50.49 333.64,49.05 ; C5.2 354.86,50.04 ; R4.2 358.78,43.78 358.19,43.19 ; R4.2 359.13,43.29 v1(358.12,42.27) 356.87,43.52 ; v1(333.88,44.04) 333.38,44.54 U2.1 ; C4.2 v1(343.38,41.04) ; v1(333.88,47.29) 333.88,48.27 C8.2 333.64,49.05 ; 333.64,49.05 R1.1 332.37,49.05 v1(331.38,50.04) 330.39,49.05 R2.2
  vias: v1(90.19,57.99) v1(94.99,38.99) v1(99.79,105.59) v1(104.39,19.99) v1(128.39,57.99) v1(132.99,38.99) v1(137.79,105.59) v1(156.79,76.99) v1(166.39,57.99) v1(185.39,105.59) v1(194.99,76.99) v1(204.59,57.99) v1(223.39,105.59) v1(232.99,76.99) v1(242.59,57.99) v1(271.19,105.59) v1(309.19,105.59) v1(309.23,39.38) v1(329.87,29.06) v1(331.06,33.03) v1(338.19,43.85) v1(352.19,105.59) v1(355.66,39.38) v1(368.36,28.66) v1(371.19,76.99) v1(371.19,57.99) v1(413.79,38.99) v1(413.99,76.99) v1(413.99,57.99)
